# Altium PCB PASTE.PcbDoc (part 6 of 7) (continued)
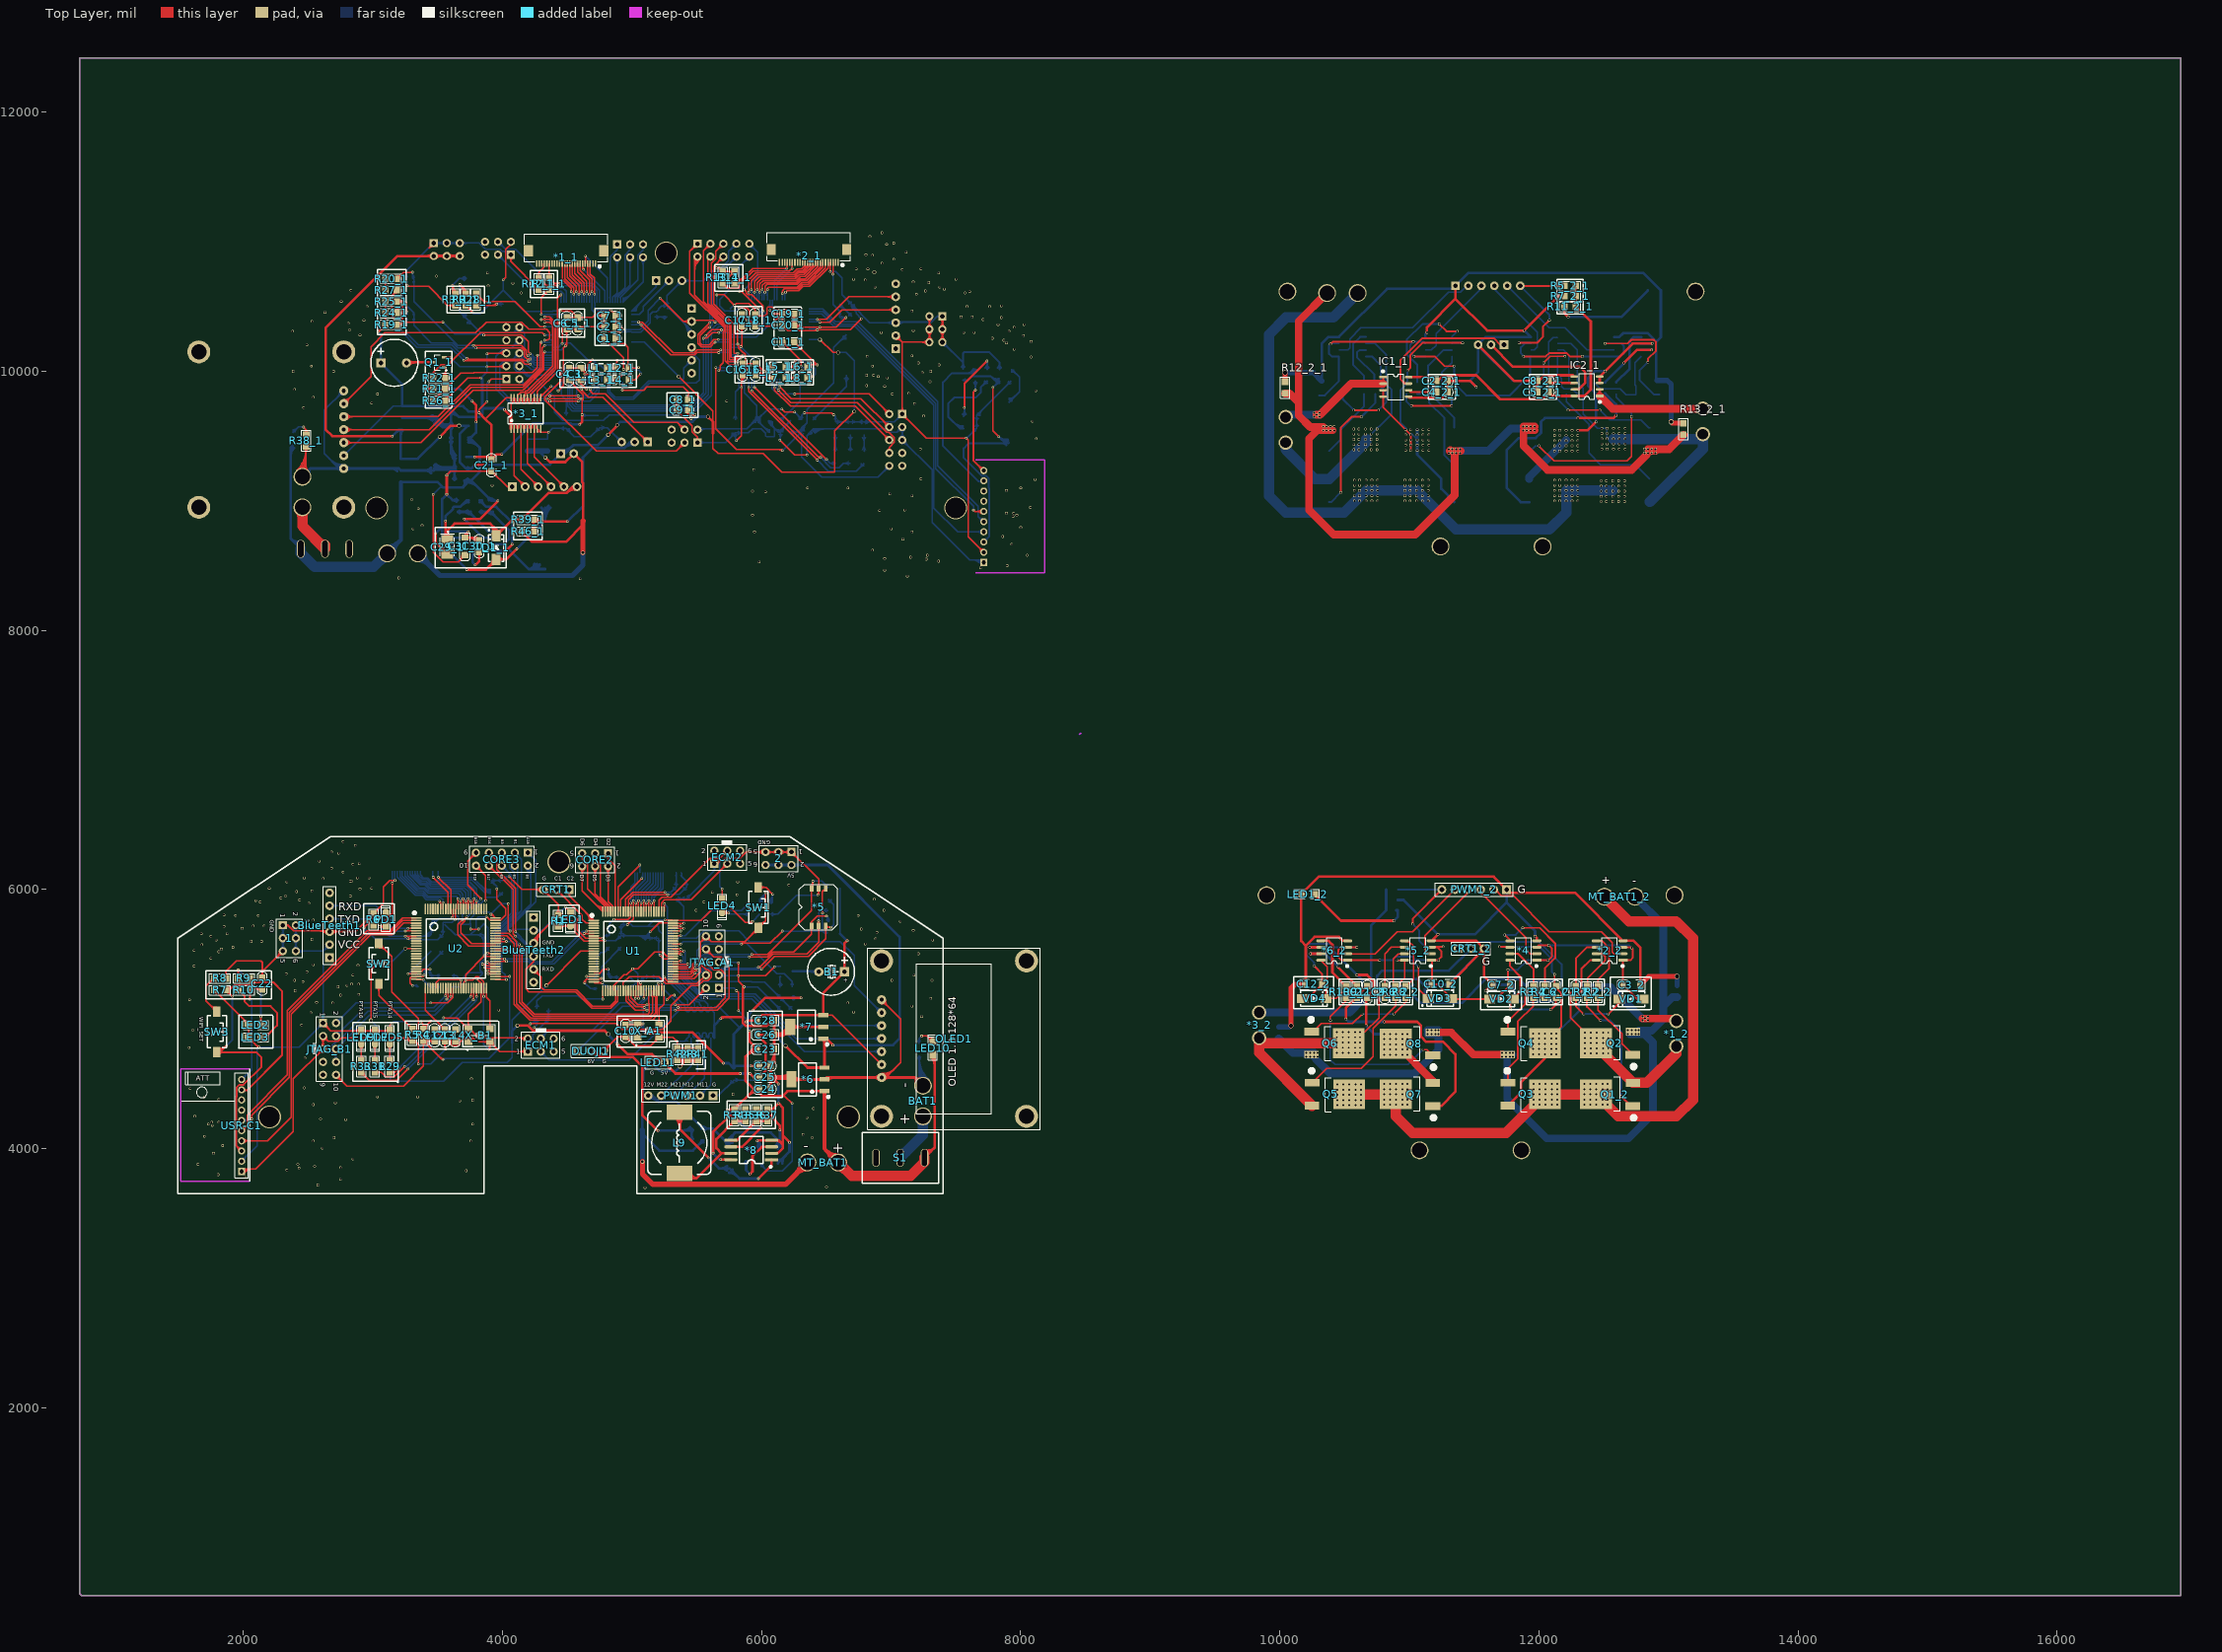
[diagram p0: Top Layer view]
## Nets (pads, with @x,y where several pads share a name; then routed paths per layer and width w, separated by ;. In a path a pad name is that pad's centre, name@x,y a point inside that pad or via, vN(x,y) a via of type N, cw(c..) or ccw(c..) an arc to the next point about the centre after c; other vN are vias at no path point) (continued)
; v2(5645,10030) 5646.54,10028.46 5754.57,10028.46 ; v2@5645,10800 cw(c5632.93,10800) 5641.46,10791.46 cw(c5650,10782.93) v2@5650,10795 ; v2@5648.54,10033.54 ccw(c5660.78,10045.78) 5660.78,10028.46 ; v2(5650,10800) 5550,10700 5385,10700 5270,10585 5270,10505 ; 5651.51,6179.28 ccw(c5678.83,6145) 5635,6145 ; 5651.89,4400.67 cw(c5665,4396.13) 5665,4410 ; 5651.89,4419.33 ccw(c5665,4423.87) 5665,4410 ; v2(5665,10245) 5754.57,10245 ; v2@5668.54,10241.46 cw(c5677.07,10232.93) 5677.07,10245 cw(c5677.07,10257.07) v2@5668.54,10248.54 ; 5670,5240 5785,5240 v2(5805,5220) ; 5670,5340 5675,5335 v2(5820,5335) ; 5670,5440 5815,5440 v2(5820,5435) ; v2(5670,10005) 5671.06,10006.06 5751.85,10006.06 5754.57,10008.78 ; v2(5670,10145) 5671.06,10146.06 5754.06,10146.06 5754.57,10146.57 ; v2(5670,10300) 5670.2,10300.2 5750.71,10300.2 5754.57,10304.06 ; v2@5673.54,10001.46 cw(c5684.64,9990.36) 5684.64,10006.06 ; v2@5673.54,10141.46 cw(c5684.64,10130.36) 5684.64,10146.06 ; v2@5673.54,10296.46 cw(c5682.55,10287.45) 5682.55,10300.2 ; v2@5673.54,10303.54 ccw(c5681.6,10311.6) 5681.6,10300.2 ; 5681.66,5351.66 ccw(c5721.9,5391.9) 5721.9,5335 ccw(c5721.9,5288.1) 5688.74,5321.26 ; 5681.66,5428.34 cw(c5709.82,5400.18) 5709.82,5440 cw(c5709.82,5479.82) 5681.66,5451.66 ; v2(5685,10165) 5686.26,10166.26 5754.57,10166.26 ; v2@5688.54,10161.46 cw(c5700.11,10149.89) 5700.11,10166.26 ; 5688.74,5358.74 ccw(c5746.04,5416.04) 5746.04,5335 ; 5688.74,5421.26 cw(c5733.97,5376.03) 5733.97,5440 cw(c5733.97,5503.97) 5688.74,5458.74 ; v2(5690,10320) 5750.83,10320 5754.57,10323.74 ; v2@5693.54,10316.46 cw(c5702.07,10307.93) 5702.07,10320 cw(c5702.07,10332.07) v2@5693.54,10323.54 ; 5706.24,10300.2 ccw(c5706.24,10317.93) 5718.78,10305.39 ; 5706.53,10320 ccw(c5706.53,10337.33) 5718.78,10325.08 ; 5709,10006.06 ccw(c5709,10019.9) 5718.78,10010.12 ; 5712.29,10466.67 ccw(c5720.12,10474.5) 5720.12,10463.43 ; 5719.8,10463.4 cw(c5718.62,10470.45) 5713.56,10465.39 ; v2@5741.46,5816.46 ccw(c5757.07,5832.07) 5757.07,5810 ; v2@5741.46,10701.46 cw(c5732.93,10692.93) 5745,10692.93 cw(c5757.07,10692.93) v2@5748.54,10701.46 ; v2(5745,5820) 5755,5810 5905,5810 ; v2(5745,10705) 5745,10625 5675,10555 5675,10503.96 5713.56,10465.39 ; v2@5748.54,5823.54 ccw(c5781.21,5856.21) 5781.21,5810 ; 5754.57,10048.15 5756.42,10050 v2(5810,10050) ; 5754.57,10067.83 5755.67,10068.94 5803.94,10068.94 ; 5754.57,10087.52 5800.74,10087.52 5807.16,10093.94 ; 5754.57,10107.2 5758.43,10111.06 5821.06,10111.06 5835,10125 v2(5855,10125) ; 5754.57,10126.89 5801.89,10126.89 v2(5815,10140) ; 5754.57,10185.94 5835.94,10185.94 v2(5840,10190) 5985,10045 v2(5985,10000) ; 5754.57,10205.63 5810.63,10205.63 v2(5815,10210) ; 5754.57,10264.68 5959.69,10264.68 6045,10350 6045,10430 v2(6010,10465) ; 5754.57,10284.37 5939.37,10284.37 6020,10365 6020,10428.22 5991.06,10457.16 5991.06,10473.94 v2(5975,10490) ; 5754.57,10343.43 5668.43,10343.43 5610,10285 5610,9815 5490,9695 4540,9695 4505,9730 4505,9875.03 4508.94,9878.96 ; 5754.57,10363.11 5653.11,10363.11 5590,10300 5590,9820 5480,9710 4555,9710 4520,9745 4520,9870.32 4528.44,9878.76 ; 5754.57,10481.22 5783.35,10510 v2(5790,10510) ; 5755.13,9483.13 ccw(c5713.26,9525) 5772.47,9525 ; 5765,4530 cw(c5716.72,4530) 5750.86,4495.86 cw(c5785,4461.72) 5785,4510 ; 5769.39,9497.39 cw(c5791.09,9475.68) 5791.09,9506.38 ; 5770.11,10496.76 cw(c5790,10476.87) v2@5790,10505 ; 5772.2,9500.2 ccw(c5747.4,9525) 5782.47,9525 ; 5778.5,10885 cw(c5714.54,10885) 5759.77,10839.77 cw(c5805,10794.54) 5805,10858.5 ; 5778.5,10985 cw(c5714.54,10985) 5759.77,10939.77 cw(c5805,10894.54) 5805,10958.5 ; 5783.83,9511.83 cw(c5752.04,9480.04) 5797,9480.04 cw(c5841.96,9480.04) 5810.17,9511.83 ; 5783.83,9638.17 ccw(c5752.04,9669.96) 5797,9669.96 ccw(c5841.96,9669.96) 5810.17,9638.17 ; 5788.5,10885 cw(c5748.68,10885) 5776.84,10856.84 cw(c5805,10828.68) 5805,10868.5 ; 5788.5,10985 cw(c5748.68,10985) 5776.84,10956.84 cw(c5805,10928.68) 5805,10968.5 ; 5789.02,10463.43 ccw(c5789.02,10474.5) 5796.85,10466.67 ; 5789.33,10463.4 ccw(c5790.52,10470.45) 5795.57,10465.39 ; 5789.53,10089.34 ccw(c5794.42,10106.67) 5807.16,10093.94 ; 5790.35,10046.81 cw(c5798.05,10039.12) 5798.05,10050 ; 5790.35,10066.5 cw(c5796.24,10060.61) 5796.24,10068.94 ; 5790.35,10105.87 cw(c5802.89,10093.33) 5802.89,10111.06 ; 5792.38,10205.63 ccw(c5792.38,10232.62) v2@5811.46,10213.54 ; 5795.86,5440 cw(c5795.86,5410.86) v2@5816.46,5431.46 ; 5797,9472.24 ccw(c5812.24,9472.24) v2@5801.46,9461.46 ; 5797,9496.38 ccw(c5836.38,9496.38) v2@5808.54,9468.54 ; 5797,9625 5797,9842 5823.56,9868.56 5823.56,9939.79 ; 5799.14,4515.86 cw(c5833.28,4481.72) 5833.28,4530 cw(c5833.28,4578.28) 5799.14,4544.14 ; v2@5800.01,9465.23 ccw(c5789.72,9465.72) 5797,9473 ; v2@5804.77,9469.99 cw(c5804.28,9480.28) 5797,9473 ; v2(5805,9465) 5797,9473 ; v2@5806.46,10046.46 ccw(c5797.93,10037.93) 5797.93,10050 ccw(c5797.93,10062.07) v2@5806.46,10053.54 ; 5808.23,10478.05 cw(c5825,10461.29) v2@5825,10485 ; v2@5810,10140 cw(c5797.93,10140) 5806.46,10131.46 cw(c5815,10122.93) v2@5815,10135 ; v2@5812.86,10070.48 ccw(c5809.49,10063.38) 5803.94,10068.94 ; v2(5815,10075) 5810,10075 5803.94,10068.94 ; 5816.07,9511.83 cw(c5847.86,9480.04) 5847.86,9525 cw(c5847.86,9569.96) 5816.07,9538.17 ; v2@5816.46,5331.46 ccw(c5807.93,5322.93) 5807.93,5335 ccw(c5807.93,5347.07) v2@5816.46,5338.54 ; 5818.14,10185.94 ccw(c5818.14,10211.86) v2@5836.46,10193.54 ; v2(5820,5065) 5880,5005 v2(5880,4980) ; v2(5825,10490) 5820.18,10490 5795.57,10465.39 ; v2@5826.46,10618.54 ccw(c5817.93,10627.07) 5830,10627.07 ccw(c5842.07,10627.07) v2@5833.54,10618.54 ; v2(5830,10615) 5830,10810 5905,10885 ; 5831.88,5580.43 cw(c5831.88,5566.88) v2@5841.46,5576.46 ; 5833.97,5580.43 ccw(c5833.97,5591.03) v2@5841.46,5583.54 ; v2@5837.48,10095.68 ccw(c5831.84,10086.04) 5823.94,10093.94 ; v2(5840,10100) 5830,10100 5823.94,10093.94 ; v2@5840,10185 cw(c5840,10172.93) 5848.54,10181.46 cw(c5857.07,10190) v2@5845,10190 ; v2@5841.46,9878.54 ccw(c5832.93,9887.07) 5845,9887.07 ccw(c5857.07,9887.07) v2@5848.54,9878.54 ; 5841.91,9904 cw(c5834.44,9896.54) 5845,9896.54 ; 5841.91,9975.57 ccw(c5829.37,9988.11) 5847.1,9988.11 ; v2(5845,9875) 5845,9938.03 5847.1,9940.13 5847.1,9988.88 5887.16,10028.94 5902.84,10028.94 5931.78,10000 v2(5985,10000) ; v2@5851.46,10121.46 ccw(c5842.93,10112.93) 5842.93,10125 ccw(c5842.93,10137.07) v2@5851.46,10128.54 ; 5861.59,9904 cw(c5853.37,9895.78) 5865,9895.78 ; 5864.82,9974.24 cw(c5878.3,9974.24) 5868.77,9983.77 ; v2(5865,5250) 5970,5250 6145,5075 ; v2(5865,10630) 5970,10735 5970,10920 5905,10985 ; v2@5865,10635 ccw(c5865,10647.07) 5873.54,10638.54 ccw(c5882.07,10630) v2@5870,10630 ; v2@5868.54,5246.46 cw(c5877.07,5237.93) 5877.07,5250 cw(c5877.07,5262.07) v2@5868.54,5253.54 ; v2@5876.46,4983.54 ccw(c5867.93,4992.07) 5880,4992.07 ccw(c5892.07,4992.07) v2@5883.54,4983.54 ; 5878.5,10885 cw(c5814.54,10885) 5859.77,10839.77 cw(c5905,10794.54) 5905,10858.5 ; 5885,5900 cw(c5836.72,5900) 5870.86,5865.86 cw(c5905,5831.72) 5905,5880 ; v2(5885,10395) v2(5945,10395) ; 5888.5,10885 cw(c5848.68,10885) 5876.84,10856.84 cw(c5905,10828.68) 5905,10868.5 ; 5890.86,5795.86 ccw(c5856.72,5761.72) 5856.72,5810 ccw(c5856.72,5858.28) 5890.86,5824.14 ; 5891.88,5480.43 cw(c5891.88,5466.88) v2@5901.46,5476.46 ; 5893.97,5480.43 ccw(c5893.97,5491.03) v2@5901.46,5483.54 ; v2(5895,10010) 5865,9980 5865,9835 5963,9737 5963,9635 ; v2@5896.46,9878.54 ccw(c5887.93,9887.07) 5900,9887.07 ccw(c5912.07,9887.07) v2@5903.54,9878.54 ; v2@5896.46,10606.46 cw(c5882.38,10592.38) 5902.3,10592.38 ; v2(5900,9875) 5900,9937.49 5902.3,9939.79 ; 5900,9895.23 cw(c5912.41,9895.23) 5903.64,9904 ; v2(5900,10610) 5902.3,10607.7 5902.3,10550.21 ; 5905,10958.5 cw(c5905,10894.54) 5950.23,10939.77 cw(c5995.46,10985) 5931.5,10985 ; 5905,10968.5 cw(c5905,10928.68) 5933.16,10956.84 cw(c5961.32,10985) 5921.5,10985 ; 5911.88,5499.57 ccw(c5911.88,5513.12) v2@5921.46,5503.54 ; 5913.97,5499.57 cw(c5913.97,5488.97) v2@5921.46,5496.46 ; v2@5916.46,10626.46 cw(c5903.14,10613.14) 5921.98,10613.14 ; 5918.31,9590.32 cw(c5957.09,9551.54) 5957.09,9606.38 ; v2(5920,10630) 5921.98,10628.02 5921.98,10550.21 ; 5921.98,9869.35 ccw(c5944.35,9869.35) v2@5928.54,9853.54 ; 5921.98,9939.79 5921.98,9853.02 v2(5925,9850) ; 5928.2,9600.2 ccw(c5903.4,9625) 5938.47,9625 ; v2(5930,5755) 5985,5810 ; 5935.39,9607.39 cw(c5957.09,9585.68) 5957.09,9616.38 ; 5941.67,9895.11 ccw(c5965.11,9895.11) v2@5948.54,9878.54 ; 5941.67,9939.79 5941.67,9878.33 v2(5945,9875) ; 5941.67,10550.21 5941.67,10606.67 v2(5945,10610) ; 5941.67,10589.89 cw(c5965.11,10589.89) v2@5948.54,10606.46 ; 5949.34,5394.37 ccw(c5949.34,5425.66) v2@5971.46,5403.54 ; 5949.83,9638.17 ccw(c5918.04,9669.96) 5963,9669.96 ccw(c6007.96,9669.96) 5976.17,9638.17 ; 5960.02,10586 ccw(c5950.56,10595.46) 5963.94,10595.46 ; 5961.35,10550.21 5963.94,10552.8 5963.94,10623.94 5970,10630 v2(5965,10630) ; 5963.94,10615.36 cw(c5979.64,10615.36) v2@5968.54,10626.46 ; 5968.91,9606.38 cw(c5968.91,9575.68) 5990.61,9597.39 ; 5968.91,9643.62 ccw(c5968.91,9674.32) 5990.61,9652.61 ; v2@5975,10485 cw(c5975,10472.93) 5983.54,10481.46 cw(c5992.07,10490) v2@5980,10490 ; 5976.9,5380.43 ccw(c5976.9,5408.1) v2@5996.46,5388.54 ; 5981.04,10550.21 5981.04,10606.04 v2(5985,10610) ; 5981.04,10588.37 cw(c6006.63,10588.37) v2@5988.54,10606.46 ; v2@5981.46,9996.46 ccw(c5972.93,9987.93) 5972.93,10000 ccw(c5972.93,10012.07) 5981.46,10003.54 ccw(c5972.93,10012.07) 5985,10012.07 ccw(c5997.07,10012.07) v2@5988.54,10003.54 ; v2@5983.71,9995.17 cw(c5978.84,9976.99) 5995.13,9986.4 ; v2@5985,9995 cw(c5985,9982.93) 5993.54,9991.46 cw(c6002.07,10000) v2@5990,10000 ; 5987.8,9600.2 cw(c6012.6,9625) 5977.53,9625 cw(c6012.6,9625) 5987.8,9649.8 ; 5990,3882.52 6042.52,3830 6160.43,3830 6235,3904.57 v2(6235,4350) ; v2@5990.4,9994.6 cw(c5970.04,9974.24) 5998.83,9974.24 ; 5993.94,3863.9 cw(c5993.94,3828.45) 6019.01,3853.51 ; 5994.97,5900.82 cw(c6063.03,5906.45) 6014.74,5954.74 ; 5999.39,10586 ccw(c5988.41,10596.98) 6003.94,10596.98 ; 5999.48,5939.48 ccw(c6034.84,5904.12) 5985,5900 5985,5925 v2(6030,5970) ccw(c6091.22,5908.78) 6004.93,5901.65 ; 6000.72,9939.79 6000.72,9984.28 v2(5985,10000) ; 6000.72,10550.21 6003.94,10553.43 6003.94,10628.94 v2(6005,10630) ; 6002.56,3882.52 ccw(c6032.88,3882.52) 6011.44,3861.08 ; 6003.94,10615.36 cw(c6019.64,10615.36) v2@6008.54,10626.46 ; 6004.87,9583.13 cw(c6046.74,9625) 5987.53,9625 cw(c6046.74,9625) 6004.87,9666.87 ; v2@6010,10460 cw(c6010,10447.93) 6018.54,10456.46 cw(c6027.07,10465) v2@6015,10465 ; 6012.56,3882.52 ccw(c6067.02,3882.52) 6028.51,3844.01 ; v2@6016.46,9996.46 v2(6020,10000) ; 6018.91,9569.09 ccw(c6065,9615.18) 6065,9550 ; 6020.41,9939.79 6020,9940.2 v2(6020,10000) ; 6020.41,10550.21 6020.41,10605.41 v2(6025,10610) ; 6020.41,10586.85 cw(c6048.15,10586.85) v2@6028.54,10606.46 ; v2@6025,5970 cw(c6012.93,5970) 6021.46,5961.46 cw(c6030,5952.93) v2@6030,5965 ; v2@6025.16,5968.75 cw(c6013.47,5965.74) 6023.86,5959.61 cw(c6034.26,5953.46) v2@6031.25,5965.16 ; 6035.81,9552.19 cw(c6013.62,9530) 6045,9530 ; 6035.98,9552.02 ccw(c6065,9581.04) 6065,9540 ; 6038.76,10586 ccw(c6026.26,10598.5) 6043.94,10598.5 ; 6040.09,10550.21 6043.94,10554.06 6043.94,10628.94 v2(6045,10630) ; 6043.94,10615.36 cw(c6059.64,10615.36) v2@6048.54,10626.46 ; 6055.37,9622.69 ccw(c6082.69,9615.06) 6062.63,9595.01 ; 6055.99,5917.85 ccw(c6032.19,5965) v2(6085,5965) 6085,5920 6065,5900 ccw(c6048.6,5932.5) 6085,5932.5 ; 6058.44,10514.43 cw(c6045.9,10501.89) 6063.64,10501.89 ; 6059.78,10550.21 6063.64,10546.35 6063.64,10471.36 v2(6065,10470) ; 6060.49,5908.93 ccw(c6040.39,5948.75) 6085,5948.75 ; 6063.64,10485.36 ccw(c6080.36,10485.36) v2@6068.54,10473.54 ; 6065,5810 6125,5810 6270.43,5955.43 6430.43,5955.43 v2(6435,5960) ; 6065,9530 6058,9530 5963,9625 ; 6065,9592.64 6098.94,9558.7 ; 6065,9620 ccw(c6101.61,9609.78) 6074.73,9582.91 ; 6069.51,5891.07 ccw(c6056.8,5916.25) 6085,5916.25 ; 6074.63,9617.31 ccw(c6120.53,9604.5) 6086.83,9570.81 ; 6078.13,9904 cw(c6071.04,9896.92) 6081.06,9896.92 ; 6078.13,10514.43 cw(c6065.59,10501.89) 6083.32,10501.89 ; 6079.14,5795.86 cw(c6113.28,5761.72) 6113.28,5810 cw(c6113.28,5858.28) 6079.14,5824.14 ; 6079.46,9939.79 6081.06,9938.19 6081.06,9867.16 6123.22,9825 v2(6255,9825) ; 6079.46,10550.21 6083.32,10546.35 6083.32,10491.68 v2(6090,10485) ; v2@6080.67,5962.5 cw(c6070.21,5956.46) 6081.88,5953.34 cw(c6093.53,5950.22) v2@6087.5,5960.67 ; v2@6081.46,5961.46 cw(c6072.93,5952.93) 6085,5952.93 cw(c6097.07,5952.93) v2@6088.54,5961.46 ; 6084.26,9614.62 ccw(c6139.45,9599.22) 6098.94,9558.7 ; v2@6096.46,9878.54 ccw(c6087.93,9887.07) 6100,9887.07 ccw(c6112.07,9887.07) v2@6103.54,9878.54 ; 6099.15,9939.79 6100,9938.94 v2(6100,9875) ; 6099.15,10550.21 6099.15,10699.15 v2(6195,10795) ; v2(6100,5405) 6102.4,5407.4 6150,5407.4 ; v2@6103.54,5401.46 cw(c6117.87,5387.13) 6117.87,5407.4 ; 6110.52,9547.12 ccw(c6132.45,9569.05) 6141.94,9539.52 ; 6118.83,9939.79 6118.94,9939.68 6118.94,9866.06 v2(6130,9855) ; 6118.83,10550.21 6118.83,10678.83 v2(6235,10795) ; v2@6125,4500 ccw(c6112.93,4500) 6121.46,4508.54 ccw(c6130,4517.07) v2@6130,4505 ; 6125,5075 ccw(c6076.72,5075) 6110.86,5109.14 ccw(c6145,5143.28) 6145,5095 ; 6125,5165 ccw(c6076.72,5165) 6110.86,5199.14 ccw(c6145,5233.28) 6145,5185 ; v2@6125,9855 ccw(c6112.93,9855) 6121.46,9863.54 ccw(c6130,9872.07) v2@6130,9860 ; v2(6130,4500) 6100,4530 5785,4530 5665,4410 ; 6130.86,5264.14 ccw(c6108.79,5286.21) 6140,5286.21 ccw(c6181.21,5286.21) 6152.07,5257.07 ; 6130.86,9515.86 cw(c6096.72,9481.72) 6145,9481.72 cw(c6193.28,9481.72) 6159.14,9515.86 ; 6136.45,5329.87 cw(c6127.86,5321.29) 6140,5321.29 ; 6136.45,5404.67 ccw(c6129.86,5398.09) 6129.86,5407.4 ccw(c6129.86,5416.72) 6136.45,5410.13 ; v2@6136.46,9473.54 ccw(c6115.86,9494.14) 6145,9494.14 ; v2@6136.46,9883.54 ccw(c6127.93,9892.07) 6140,9892.07 ccw(c6152.07,9892.07) v2@6143.54,9883.54 ; 6136.7,5329.64 cw(c6130.77,5322.56) 6140,5322.56 ; 6137.18,9904 cw(c6130.38,9897.2) 6140,9897.2 ; 6138.52,9939.79 6140,9938.31 v2(6140,9880) ; 6138.88,9549.04 cw(c6126.82,9586.58) 6098.94,9558.7 ; 6140,5310.36 ccw(c6205.36,5310.36) 6159.14,5264.14 ; v2(6140,9470) 6145,9475 6145,9530 ; 6145,5145 cw(c6145,5096.72) 6179.14,5130.86 cw(c6213.28,5165) 6165,5165 ; 6145,5250 6140,5250 6140,5322.6 6150,5332.6 ; 6145,9550 ccw(c6145,9574.14) 6162.07,9557.07 ; 6145,9620 6296,9771 6296,9939.79 ; 6145,9640 ccw(c6145,9688.28) 6179.14,9654.14 ccw(c6213.28,9620) 6165,9620 ; v2@6151.46,9706.46 ccw(c6142.93,9697.93) 6142.93,9710 ccw(c6142.93,9722.07) v2@6151.46,9713.54 ; 6155,9530 cw(c6203.28,9530) 6169.14,9564.14 ; v2(6155,9710) 6048,9710 5963,9625 ; 6158.2,10550.21 6158.2,10598.2 v2(6160,10600) ; 6158.2,10583.59 cw(c6176.41,10583.59) v2@6163.54,10596.46 ; v2(6160,5680) 6470,5680 ; v2(6160,9390) 6165,9390 6310,9535 ; v2@6160,9395 ccw(c6160,9419.14) 6177.07,9402.07 ; v2@6163.54,5676.46 cw(c6172.07,5667.93) 6172.07,5680 cw(c6172.07,5692.07) v2@6163.54,5683.54 ; 6165,9530 cw(c6237.43,9530) 6186.21,9581.21 ; 6176.55,10586 ccw(c6170.8,10591.75) 6178.94,10591.75 ; 6177.89,10550.21 6178.94,10551.26 6178.94,10603.94 v2(6185,10610) ; 6178.94,10583.29 cw(c6211.71,10583.29) v2@6188.54,10606.46 ; v2@6190,10795 cw(c6177.93,10795) 6186.46,10786.46 cw(c6195,10777.93) v2@6195,10790 ; 6205,9620 cw(c6156.72,9620) 6190.86,9585.86 cw(c6225,9551.72) 6225,9600 ; 6215,5075 ccw(c6166.72,5075) 6200.86,5109.14 ccw(c6235,5143.28) 6235,5095 ; 6217.26,9939.79 6213.4,9943.65 6213.4,9980.79 6189.19,10005 6025,10005 v2(6020,10000) ; 6223.4,5266.3 ccw(c6207.4,5288.78) 6235,5288.78 ; 6225,9530 6230,9535 6310,9535 ; 6225,9620 6145,9540 6145,9530 ; 6230,6290 6270.43,6249.57 ; v2@6230,10795 cw(c6217.93,10795) 6226.46,10786.46 cw(c6235,10777.93) v2@6235,10790 ; 6231.36,6273.56 cw(c6233.84,6243.5) 6255.17,6264.83 cw(c6276.5,6286.16) 6246.44,6288.64 ; v2@6231.46,4346.46 cw(c6222.93,4337.93) 6235,4337.93 cw(c6247.07,4337.93) v2@6238.54,4346.46 ; 6232.07,9522.93 cw(c6261.21,9493.79) 6261.21,9535 cw(c6261.21,9566.21) 6239.14,9544.14 ; 6232.18,6263.59 cw(c6236.17,6215.31) 6270.43,6249.57 ; 6235,5250 6235,5288.78 ; 6239.14,9515.86 cw(c6285.36,9469.64) 6285.36,9535 ; 6246.6,5266.3 cw(c6262.6,5288.78) 6235,5288.78 ; v2@6251.46,9821.46 ccw(c6242.93,9812.93) 6242.93,9825 ccw(c6242.93,9837.07) v2@6251.46,9828.54 ; v2@6255,9680 cw(c6255,9667.93) 6263.54,9676.46 cw(c6272.07,9685) v2@6260,9685 ; v2(6255,9685) 6310,9630 ; 6256.41,6287.82 ccw(c6304.69,6283.83) 6270.43,6249.57 ; v2(6260,10085) 6310.68,10085 6323.99,10071.69 ; v2@6263.54,10081.46 cw(c6272.07,10072.93) 6272.07,10085 cw(c6272.07,10097.07) v2@6263.54,10088.54 ; 6266.82,9530.58 cw(c6273.52,9502.53) 6295.06,9521.7 ; 6272.32,9667.68 cw(c6229.64,9625) 6290,9625 ; 6275.15,9532.56 ccw(c6268.47,9560.52) 6292.96,9545.47 ; 6283.09,9534.46 cw(c6287.7,9515.15) 6302.53,9528.35 ; 6284.39,9655.61 ccw(c6310,9681.21) 6310,9645 ; 6289.39,9650.61 cw(c6263.79,9625) 6300,9625 ; 6290,9535 cw(c6241.72,9535) 6275.86,9500.86 cw(c6310,9466.72) 6310,9515 ; 6295.86,9549.14 cw(c6261.72,9583.28) 6261.72,9535 cw(c6261.72,9486.72) 6295.86,9520.86 cw(c6261.72,9486.72) 6310,9486.72 cw(c6358.28,9486.72) 6324.14,9520.86 ; 6299.85,9642.23 ccw(c6289.38,9660) 6310,9660 ; 6300.18,9533.14 cw(c6331.01,9538.99) 6308.82,9561.18 ; 6303.93,9554.06 ccw(c6301.29,9562.36) 6310,9562.36 ; v2@6305,10035 cw(c6305,10022.93) 6313.54,10031.46 cw(c6322.07,10040) v2@6310,10040 ; v2(6305,10040) 6316.54,10028.46 6364.99,10028.46 6368.85,10024.61 6406,10024.61 ; 6310,9625 6310,9630 ; v2(6310,10005) 6361.21,10005 6364.99,10008.78 ; v2@6313.32,10008.74 ccw(c6320.01,10016.29) 6322.62,10006.54 ; v2@6313.54,10001.46 cw(c6322.07,9992.93) 6322.07,10005 cw(c6322.07,10017.07) v2@6313.54,10008.54 ; 6316.07,9554.06 cw(c6318.71,9562.36) 6310,9562.36 ; v2@6316.86,10005 ccw(c6316.86,10022.47) 6329.21,10010.12 ; 6319.82,9536.86 cw(c6375.97,9547.51) 6335.56,9587.92 ; 6320.15,9642.23 cw(c6330.62,9660) 6310,9660 ; 6322.19,9574.55 ccw(c6353.49,9543.25) 6310,9535 ; 6322.71,10072.97 ccw(c6330.54,10080.8) 6330.54,10069.72 ; v2@6325,9680 cw(c6312.93,9680) 6321.46,9671.46 cw(c6330,9662.93) v2@6330,9675 ; 6329.65,9538.73 cw(c6398.46,9551.78) 6348.94,9601.3 ; v2(6330,9680) 6310,9660 ; 6330.23,10069.7 cw(c6329.04,10076.75) 6323.99,10071.69 ; v2@6346.46,9358.54 ccw(c6337.93,9367.07) 6350,9367.07 ccw(c6362.07,9367.07) v2@6353.54,9358.54 ; v2(6350,9355) 6350,9505 ; 6362.25,9517.25 cw(c6384.34,9495.17) 6392.41,9525.34 ; 6364.99,10048.15 6366.84,10050 v2(6430,10050) ; 6364.99,10067.83 6361.13,10071.69 6323.99,10071.69 ; 6364.99,10245 v3(6450,10245) ; 6364.99,10323.74 6426.26,10323.74 v2(6430,10320) ; 6364.99,10343.43 6368.42,10340 v2(6450,10340) ; 6364.99,10382.8 6366.72,10381.06 6448.94,10381.06 v2(6450,10380) ; 6364.99,10402.48 6427.52,10402.48 v2(6430,10400) ; 6364.99,10441.85 6463.15,10441.85 6555,10350 6720,10350 7330,9740 7330,8945 7513.78,8761.22 7714,8761.22 ; 6364.99,10461.54 6471.12,10461.54 6567.65,10365 6730,10365 7345,9750 7345,9250 7635,8960 v2(7635,8930) ; 6364.99,10481.22 6471.14,10481.22 6571.3,10381.06 6743.94,10381.06 7360,9765 7360,9270 7670,8960 7670,8880 ; 6371.46,9526.46 ccw(c6362.93,9535) 6375,9535 ; 6387.93,9542.07 cw(c6419.14,9510.86) 6419.14,9555 ; 6389.83,9515.68 ccw(c6379.17,9475.84) 6350,9505 ; v2(6395,6065) 6465,6065 6515,6015 ; 6395,9535 cw(c6443.28,9486.72) 6443.28,9555 ; 6395,9625 6654.21,9884.21 6654.21,9972.69 ; 6395,9645 ccw(c6395,9693.28) 6429.14,9659.14 ccw(c6463.28,9625) 6415,9625 ; v2(6395,9960) 6415,9980 6415,9992.69 6415.27,9992.95 6415.27,10015.34 6406,10024.61 ; v2@6395,9965 ccw(c6395,9977.07) 6403.54,9968.54 ccw(c6412.07,9960) v2@6400,9960 ; v2@6398.54,6061.46 cw(c6407.07,6052.93) 6407.07,6065 cw(c6407.07,6077.07) v2@6398.54,6068.54 ; 6399.44,10026.57 cw(c6399.44,10015.5) 6407.27,10023.33 ; 6399.75,10026.6 cw(c6400.94,10019.55) 6406,10024.61 ; 6400.78,10046.81 cw(c6408.47,10039.12) 6408.47,10050 ; 6400.78,10344.76 ccw(c6412.27,10356.26) 6412.27,10340 ; 6400.78,10384.13 ccw(c6408.19,10391.54) 6408.19,10381.06 ; 6402.07,9527.93 cw(c6467.43,9462.57) 6467.43,9555 ; 6408.9,10323.74 cw(c6408.9,10298.9) v2@6426.46,10316.46 ; 6409.14,9520.86 cw(c6491.57,9438.43) 6491.57,9555 ; 6411.9,5955.43 ccw(c6411.9,5983.1) v2@6431.46,5963.54 ; 6411.94,10402.48 cw(c6411.94,10381.94) v2@6426.46,10396.46 ; v2@6426.46,10046.46 ccw(c6417.93,10037.93) 6417.93,10050 ccw(c6417.93,10062.07) v2@6426.46,10053.54 ; v2@6430,9310 cw(c6430,9297.93) 6438.54,9306.46 cw(c6447.07,9315) v2@6435,9315 ; v2(6430,9315) 6515,9230 6730,9230 6790,9290 ; 6435.36,10381.06 cw(c6435.36,10365.36) v2@6446.46,10376.46 ; v2@6436.46,5763.54 ccw(c6427.93,5772.07) 6440,5772.07 ccw(c6452.07,5772.07) v2@6443.54,5763.54 ; v2(6440,5760) 6440,5830 6450,5840 6515,5840 ; v2@6446.46,10336.46 ccw(c6437.93,10327.93) 6437.93,10340 ccw(c6437.93,10352.07) v2@6446.46,10343.54 ; v2@6455,9330 cw(c6455,9317.93) 6463.54,9326.46 cw(c6472.07,9335) v2@6460,9335 ; v2(6455,9335) 6533.94,9256.06 6598.7,9256.06 6632.64,9290 6685,9290 ; v2@6466.46,5816.46 cw(c6457.93,5807.93) 6470,5807.93 cw(c6482.07,5807.93) v2@6473.54,5816.46 ; v2(6470,5820) 6470,5681.25 6475.46,5675.79 ; 6474.84,5675.16 6470,5680 ; 6478.63,5671.37 ccw(c6495.9,5688.65) 6509.45,5668.32 ; 6495,6015 ccw(c6446.72,6015) 6480.86,6049.14 ccw(c6515,6083.28) 6515,6035 ; v2@6498.71,5790.17 cw(c6493.23,5769.72) 6511.56,5780.31 ; v2@6498.84,5790.14 cw(c6496.29,5779.44) 6505.81,5784.94 cw(c6515.33,5790.44) v2@6504.79,5793.57 ; v2@6500,5790 cw(c6500,5777.93) 6508.54,5786.46 cw(c6517.07,5795) v2@6505,5795 ; v2@6500,9315 cw(c6500,9302.93) 6508.54,9311.46 cw(c6517.07,9320) v2@6505,9320 ; v2(6500,9320) 6530,9290 ; 6500.45,5763.73 ccw(c6484.13,5779.13) v2(6500,5795) 6515,5780 ; 6500.86,5825.86 ccw(c6466.72,5791.72) 6466.72,5840 ccw(c6466.72,5888.28) 6500.86,5854.14 ; 6503.91,5676.64 cw(c6489,5699) 6470,5680 ; 6507.31,5768.46 ccw(c6502.5,5780) 6515,5780 ; 6507.28,5787.72 cw(c6491.62,5772.06) 6507.73,5756.86 ; 6514.56,5780.44 cw(c6499.11,5764.99) 6515,5750 6515,5780 ; 6515,5905 cw(c6515,5856.72) 6549.14,5890.86 cw(c6583.28,5925) 6535,5925 ; 6515,5925 6555,5885 6555,5727.36 6537.64,5710 v2(6535,5710) ; 6522.69,5768.46 cw(c6527.5,5780) 6515,5780 ; v2(6530,10770) 6570,10770 6620,10720 6620,10590 6695,10515 ; v2@6533.54,10766.46 cw(c6542.07,10757.93) 6542.07,10770 cw(c6542.07,10782.07) v2@6533.54,10773.54 ; v2@6546.46,10746.46 cw(c6537.93,10737.93) 6550,10737.93 cw(c6562.07,10737.93) v2@6553.54,10746.46 ; v2(6550,10750) 6550,10514.86 6600,10464.86 ; 6554,9278 ccw(c6530,9260) 6530,9290 ; 6554,9302 cw(c6530,9320) 6530,9290 ; v2@6555,9660 cw(c6555,9647.93) 6563.54,9656.46 cw(c6572.07,9665) v2@6560,9665 ; v2(6555,9665) 6570,9650 ; 6555.86,9394.14 ccw(c6521.72,9428.28) 6570,9428.28 ccw(c6618.28,9428.28) 6584.14,9394.14 ; 6555.86,9490.86 cw(c6521.72,9456.72) 6570,9456.72 cw(c6618.28,9456.72) 6584.14,9490.86 ; 6559.85,9632.23 ccw(c6549.38,9650) 6570,9650 ; 6570,9290 6530,9290 ; 6570,9380 6570,9510 ; 6580.15,9632.23 cw(c6590.62,9650) 6570,9650 ; 6584.14,9595.86 cw(c6618.28,9561.72) 6618.28,9610 cw(c6618.28,9658.28) 6584.14,9624.14 ; 6588.05,10441.03 ccw(c6570.28,10464.86) 6600,10464.86 ; v3(6590,10145) 6650,10145 6715,10080 v3(6715,9690) ; 6596.33,10226.33 cw(c6655,10167.65) 6655,10250.63 ; 6600,10495 cw(c6600,10434.64) 6642.68,10477.32 ; 6600,10505 cw(c6600,10468.79) 6625.61,10494.39 ; 6600,10520 6695,10425 ; 6605,5398.43 6638.43,5365 ; 6605,5660 6605,5750 6605,5840 6605,5925 6605,6015 ; 6611.95,10441.03 cw(c6629.72,10464.86) 6600,10464.86 ; 6613.4,10243.4 cw(c6655,10201.8) 6655,10260.63 ; 6614.14,10400.86 cw(c6648.28,10366.72) 6648.28,10415 cw(c6648.28,10463.28) 6614.14,10429.14 ; 6620,10515 ccw(c6656.21,10515) 6630.61,10489.39 ; 6620.09,10250.09 ccw(c6595.02,10275.16) 6630.47,10275.16 ; 6636.87,9945.5 cw(c6595,9903.63) 6654.21,9903.63 cw(c6713.43,9903.63) 6671.56,9945.5 ; 6637.19,10412.03 cw(c6640.71,10398.9) v2@6647.5,10410.67 ; 6637.19,10417.97 ccw(c6640.71,10431.1) v2@6647.5,10419.33 ; 6639.26,10412.58 ccw(c6636.53,10422.78) v2@6645.67,10417.5 ; 6639.26,10417.42 cw(c6636.53,10407.22) v2@6645.67,10412.5 ; 6643.94,9952.57 cw(c6619.14,9927.77) 6654.21,9927.77 cw(c6689.29,9927.77) 6664.49,9952.57 ; v2@6646.46,10411.46 ccw(c6637.93,10402.93) 6637.93,10415 ccw(c6637.93,10427.07) v2@6646.46,10418.54 ; v2(6650,10415) 6605,10415 6600,10420 6600,10464.86 ; 6655,10285 6555,10185 6555,9910 6348.94,9703.94 6348.94,9601.3 ; 6670.86,9275.86 ccw(c6636.72,9241.72) 6636.72,9290 ccw(c6636.72,9338.28) 6670.86,9304.14 ; 6670.86,9394.14 ccw(c6636.72,9428.28) 6685,9428.28 ccw(c6733.28,9428.28) 6699.14,9394.14 ; 6670.86,9490.86 cw(c6636.72,9456.72) 6685,9456.72 cw(c6733.28,9456.72) 6699.14,9490.86 ; 6670.86,9595.86 ccw(c6636.72,9561.72) 6636.72,9610 ccw(c6636.72,9658.28) 6670.86,9624.14 ; 6675,10425 ccw(c6626.72,10425) 6660.86,10459.14 ccw(c6695,10493.28) 6695,10445 ; 6675,10515 ccw(c6626.72,10515) 6660.86,10549.14 ccw(c6695,10583.28) 6695,10535 ; 6685,9385 6685,9510 ; 6699.14,9595.86 cw(c6733.28,9561.72) 6733.28,9610 cw(c6733.28,9658.28) 6699.14,9624.14 ; 6703.69,10484.19 cw(c6726.85,10507.35) 6695,10515 ; 6704.72,10512.66 ccw(c6747.21,10502.46) 6716.31,10471.56 ; 6714.45,10510.33 ccw(c6767.56,10497.57) 6728.93,10458.94 ; v2@6765,10405 ccw(c6752.93,10405) 6761.46,10413.54 ccw(c6770,10422.07) v2@6770,10410 ; 6770,9290 cw(c6721.72,9290) 6755.86,9255.86 cw(c6790,9221.72) 6790,9270 ; v2(6770,10405) 6728.94,10446.06 6728.94,10458.94 ; 6775.86,9394.14 ccw(c6741.72,9428.28) 6790,9428.28 ccw(c6838.28,9428.28) 6804.14,9394.14 ; 6775.86,9490.86 cw(c6741.72,9456.72) 6790,9456.72 cw(c6838.28,9456.72) 6804.14,9490.86 ; 6775.86,9595.86 ccw(c6741.72,9561.72) 6741.72,9610 ccw(c6741.72,9658.28) 6775.86,9624.14 ; 6790,9510 6790,9385 6795,9380 ; 6797.07,9602.93 cw(c6815.19,9584.81) 6815.19,9610.43 ; 6804.14,9595.86 cw(c6839.33,9560.67) 6839.33,9610.43 ; 6804.14,9624.14 ccw(c6837.24,9657.24) 6837.24,9610.43 ; 6895.12,5050 ccw(c6821.65,5050) 6873.6,5101.95 ccw(c6925.55,5153.9) 6925.55,5080.43 ; 6904.03,4728.48 ccw(c6852.08,4676.53) 6852.08,4750 ccw(c6852.08,4823.47) 6904.03,4771.52 ; 6904.03,4828.48 ccw(c6852.08,4776.53) 6852.08,4850 ccw(c6852.08,4923.47) 6904.03,4871.52 ; 6904.03,4928.48 ccw(c6852.08,4876.53) 6852.08,4950 ccw(c6852.08,5023.47) 6904.03,4971.52 ; 6905.12,5050 ccw(c6855.79,5050) 6890.67,5084.88 ccw(c6925.55,5119.76) 6925.55,5070.43 ; 6911.1,4735.55 ccw(c6876.22,4700.67) 6876.22,4750 ccw(c6876.22,4799.33) 6911.1,4764.45 ; 6911.1,4835.55 ccw(c6876.22,4800.67) 6876.22,4850 ccw(c6876.22,4899.33) 6911.1,4864.45 ; 6911.1,4935.55 ccw(c6876.22,4900.67) 6876.22,4950 ccw(c6876.22,4999.33) 6911.1,4964.45 ; 6958.5,9270 cw(c6894.54,9270) 6939.77,9224.77 cw(c6985,9179.54) 6985,9243.5 ; 6968.5,9270 cw(c6928.68,9270) 6956.84,9241.84 cw(c6985,9213.68) 6985,9253.5 ; 6985,9270 6900,9185 6465,9185 6310,9340 6310,9535 ; 7058.5,9670 cw(c6994.54,9670) 7039.77,9624.77 cw(c7085,9579.54) 7085,9643.5 ; 7058.59,9567.82 cw(c7010.31,9563.83) 7044.57,9529.57 ; 7066.26,9488.74 ccw(c7021.03,9533.97) 7085,9533.97 ccw(c7148.97,9533.97) 7103.74,9488.74 ; 7066.26,9551.26 cw(c7021.03,9506.03) 7085,9506.03 cw(c7148.97,9506.03) 7103.74,9551.26 ; 7068.5,9670 cw(c7028.68,9670) 7056.84,9641.84 cw(c7085,9613.68) 7085,9653.5 ; 7068.56,9568.64 cw(c7038.5,9566.16) 7059.83,9544.83 cw(c7081.16,9523.5) 7083.64,9553.56 ; 7073.34,9481.66 ccw(c7045.18,9509.82) 7085,9509.82 ccw(c7124.82,9509.82) 7096.66,9481.66 ; 7073.34,9558.34 cw(c7045.18,9530.18) 7085,9530.18 cw(c7124.82,9530.18) 7096.66,9558.34 ; 7082.82,9543.59 ccw(c7078.83,9495.31) 7044.57,9529.57 ; 7085,9443.5 cw(c7085,9379.54) 7130.23,9424.77 cw(c7175.46,9470) 7111.5,9470 ; 7085,9453.5 cw(c7085,9413.68) 7113.16,9441.84 cw(c7141.32,9470) 7101.5,9470 ; 7085,9670 7025.43,9610.43 6790.43,9610.43 6790,9610 6685,9610 6570,9610 6570,9650 ; 7199.82,4531.4 ccw(c7163.16,4568.06) 7215,4568.06 ccw(c7326.84,4568.06) 7247.76,4488.98 ; 7200.86,4705.86 cw(c7166.72,4671.72) 7215,4671.72 cw(c7263.28,4671.72) 7229.14,4705.86 ; 7202.24,4704.6 cw(c7172.88,4669.16) 7218.7,4673.46 ; 7203,4826 ccw(c7185,4850) 7215,4850 ; 7215,4592.2 ccw(c7350.98,4592.2) 7254.83,4496.05 ; 7215,4616.34 ccw(c7375.12,4616.34) 7261.9,4503.12 ; 7215,4640.48 ccw(c7399.26,4640.48) 7268.97,4510.19